# Altium PCB SFYTH_PCB2.PcbDoc (part 2 of 3)
Units mil, origin at the board's own origin, x right, y up, seen from the top; angles counter-clockwise.
Board outline 3935.4 x 3935 mil, 2 copper layers (Top Layer, Bottom Layer); 60 components, 80 nets, 272 pads, 22 vias.
Unrouted connection lines stored in the file: 3.
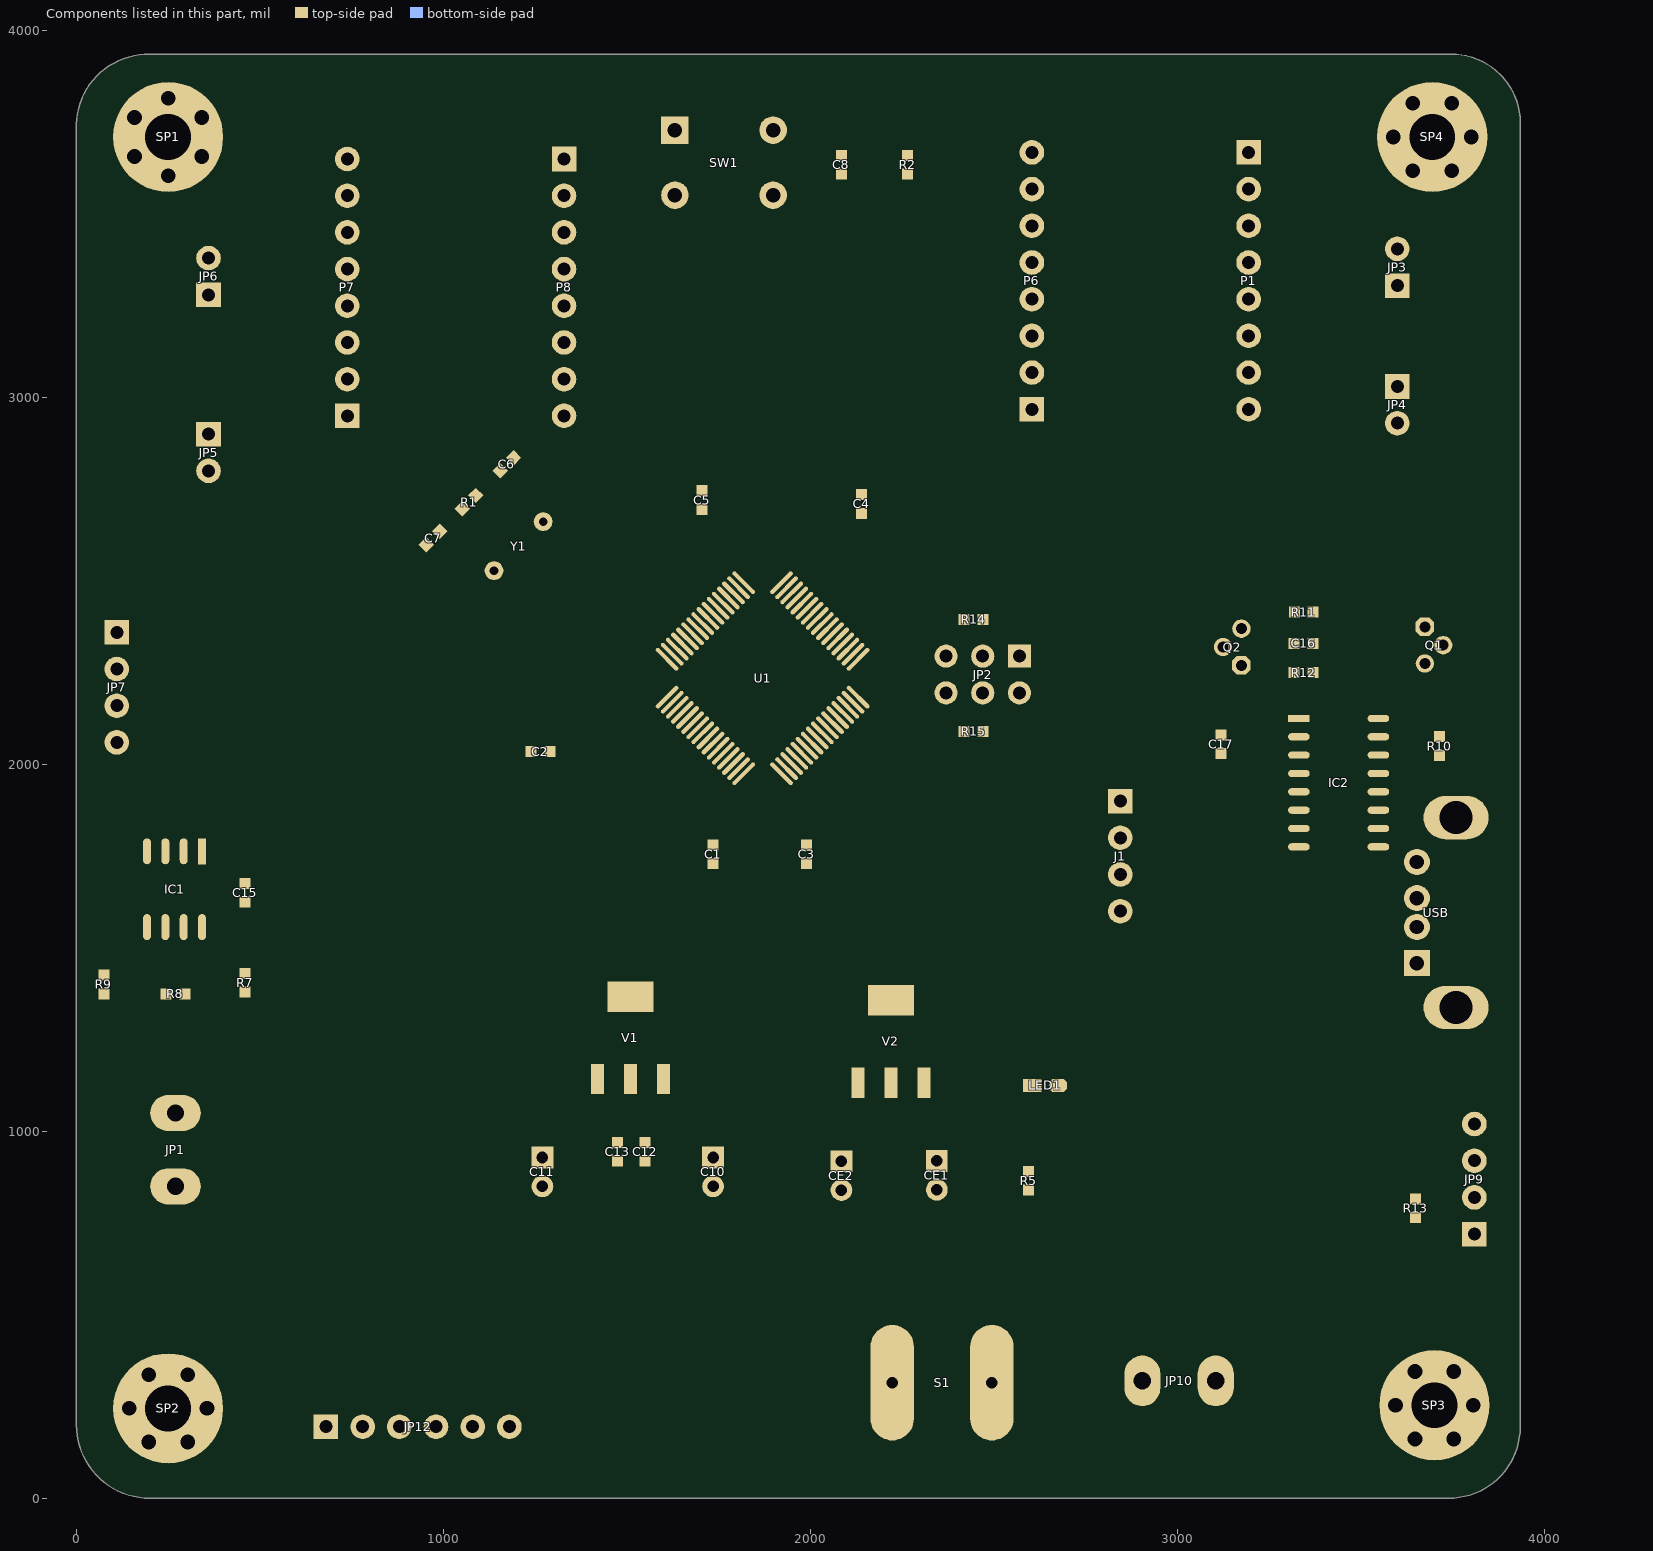
[diagram p2: the components of this part, seen from the top]

## Via types
v1: diameter 20, hole 12, Top Layer to Bottom Layer, 21 vias
v2: diameter 30, hole 20, Top Layer to Bottom Layer, 1 vias

## Nets (pads, with @x,y where several pads share a name; then routed paths per layer and width w, separated by ;. In a path a pad name is that pad's centre, name@x,y a point inside that pad or via, vN(x,y) a via of type N, cw(c..) or ccw(c..) an arc to the next point about the centre after c; other vN are vias at no path point) (continued)
copper on no net: (continued)
  Top Layer w1: 65.5,687 646.5,687 ; 66.5,688 646.5,688 ; 67.5,689 646.5,689 ; 67.5,690 646.5,690 ; 68.5,691 646.5,691 ; 69.5,692 646.5,692 ; 70.5,693 646.5,693 ; 71.5,694 646.5,694 ; 71.5,695 646.5,695 ; 72.5,696 646.5,696 ; 73.5,697 646.5,697 ; 74.5,698 646.5,698 ; 75.5,699 646.5,699 ; 76.5,700 646.5,700 ; 78.5,701 646.5,701 ; 79.5,702 646.5,702 ; 80.5,703 646.5,703 ; 81.5,704 646.5,704 ; 83.5,705 646.5,705 ; 84.5,706 646.5,706 ; 86.5,707 646.5,707 ; 88.5,708 646.5,708 ; 90.5,709 646.5,709 ; 92.5,710 646.5,710 ; 94.5,711 646.5,711 ; 96.5,440 661.5,440 ; 96.5,441 663.5,441 ; 96.5,442 665.5,442 ; 96.5,443 667.5,443 ; 96.5,444 668.5,444 ; 96.5,445 670.5,445 ; 96.5,446 671.5,446 ; 96.5,447 672.5,447 ; 96.5,448 673.5,448 ; 96.5,449 674.5,449 ; 96.5,450 675.5,450 ; 96.5,451 676.5,451 ; 96.5,452 677.5,452 ; 96.5,453 678.5,453 ; 96.5,454 679.5,454 ; 96.5,455 680.5,455 ; 96.5,456 680.5,456 ; 96.5,457 681.5,457 ; 96.5,458 682.5,458 ; 96.5,459 682.5,459 ; 96.5,460 683.5,460 ; 96.5,461 683.5,461 ; 96.5,462 684.5,462 ; 96.5,463 684.5,463 ; 96.5,464 684.5,464 ; 96.5,465 685.5,465 ; 96.5,466 685.5,466 ; 96.5,467 685.5,467 ; 96.5,468 686.5,468 ; 96.5,469 686.5,469 ; 96.5,470 686.5,470 ; 96.5,471 686.5,471 ; 96.5,472 686.5,472 ; 96.5,473 686.5,473 ; 96.5,474 686.5,474 ; 96.5,475 686.5,475 ; 96.5,476 686.5,476 ; 96.5,477 686.5,477 ; 96.5,478 686.5,478 ; 96.5,479 686.5,479 ; 96.5,480 686.5,480 ; 96.5,481 686.5,481 ; 96.5,482 232.5,482 ; 96.5,483 231.5,483 ; 96.5,484 231.5,484 ; 96.5,485 231.5,485 ; 96.5,486 239.5,486 ; 96.5,487 240.5,487 ; 96.5,488 140.5,488 ; 96.5,489 140.5,489 ; 96.5,490 140.5,490 ; 96.5,491 140.5,491 ; 96.5,492 140.5,492 ; 96.5,493 140.5,493 ; 96.5,494 140.5,494 ; 96.5,495 140.5,495 ; 96.5,496 140.5,496 ; 96.5,497 140.5,497 ; 96.5,498 140.5,498 ; 96.5,499 140.5,499 ; 96.5,500 140.5,500 ; 96.5,501 140.5,501 ; 96.5,502 140.5,502 ; 96.5,503 140.5,503 ; 96.5,504 140.5,504 ; 96.5,505 140.5,505 ; 96.5,506 140.5,506 ; 96.5,507 140.5,507 ; 96.5,508 185.5,508 ; 96.5,509 185.5,509 ; 96.5,510 686.5,510 ; 96.5,511 686.5,511 ; 96.5,512 686.5,512 ; 96.5,513 686.5,513 ; 96.5,514 686.5,514 ; 96.5,515 686.5,515 ; 96.5,516 686.5,516 ; 96.5,517 686.5,517 ; 96.5,518 686.5,518 ; 96.5,519 686.5,519 ; 96.5,520 686.5,520 ; 96.5,521 686.5,521 ; 96.5,522 686.5,522 ; 96.5,523 686.5,523 ; 96.5,524 686.5,524 ; 96.5,525 686.5,525 ; 96.5,526 686.5,526 ; 96.5,527 686.5,527 ; 96.5,528 686.5,528 ; 96.5,529 686.5,529 ; 96.5,530 686.5,530 ; 96.5,531 415.5,531 ; 96.5,532 319.5,532 ; 96.5,533 141.5,533 ; 96.5,534 142.5,534 ; 96.5,535 142.5,535 ; 96.5,536 143.5,536 ; 96.5,537 143.5,537 ; 96.5,538 144.5,538 ; 96.5,539 144.5,539 ; 96.5,540 145.5,540 ; 96.5,541 146.5,541 ; 96.5,542 146.5,542 ; 96.5,543 147.5,543 ; 96.5,544 147.5,544 ; 96.5,545 148.5,545 ; 96.5,546 148.5,546 ; 96.5,547 149.5,547 ; 96.5,548 149.5,548 ; 96.5,549 150.5,549 ; 96.5,550 150.5,550 ; 96.5,551 151.5,551 ; 96.5,552 151.5,552 ; 96.5,553 152.5,553 ; 96.5,554 153.5,554 ; 96.5,555 153.5,555 ; 96.5,556 154.5,556 ; 96.5,557 154.5,557 ; 96.5,558 155.5,558 ; 96.5,559 155.5,559 ; 96.5,560 156.5,560 ; 96.5,561 156.5,561 ; 96.5,562 157.5,562 ; 96.5,563 157.5,563 ; 96.5,564 158.5,564 ; 96.5,565 158.5,565 ; 96.5,566 159.5,566 ; 96.5,567 159.5,567 ; 96.5,568 160.5,568 ; 96.5,569 161.5,569 ; 96.5,570 161.5,570 ; 96.5,571 162.5,571 ; 96.5,572 162.5,572 ; 96.5,573 163.5,573 ; 96.5,574 163.5,574 ; 96.5,575 164.5,575 ; 96.5,576 164.5,576 ; 96.5,577 165.5,577 ; 96.5,578 165.5,578 ; 96.5,579 166.5,579 ; 96.5,580 166.5,580 ; 96.5,581 167.5,581 ; 96.5,582 168.5,582 ; 96.5,583 168.5,583 ; 96.5,584 169.5,584 ; 96.5,585 169.5,585 ; 96.5,586 170.5,586 ; 96.5,587 170.5,587 ; 96.5,588 171.5,588 ; 96.5,589 171.5,589 ; 96.5,590 172.5,590 ; 96.5,591 172.5,591 ; 96.5,592 173.5,592 ; 96.5,593 173.5,593 ; 96.5,594 174.5,594 ; 96.5,595 174.5,595 ; 96.5,596 175.5,596 ; 96.5,597 176.5,597 ; 96.5,598 176.5,598 ; 96.5,599 177.5,599 ; 96.5,600 177.5,600 ; 96.5,601 178.5,601 ; 96.5,602 178.5,602 ; 96.5,603 179.5,603 ; 96.5,604 179.5,604 ; 96.5,605 180.5,605 ; 96.5,606 180.5,606 ; 96.5,607 181.5,607 ; 96.5,608 181.5,608 ; 96.5,609 182.5,609 ; 96.5,610 183.5,610 ; 96.5,611 183.5,611 ; 96.5,612 184.5,612 ; 96.5,613 184.5,613 ; 96.5,614 185.5,614 ; 96.5,615 185.5,615 ; 96.5,616 186.5,616 ; 96.5,617 186.5,617 ; 96.5,618 187.5,618 ; 96.5,619 187.5,619 ; 96.5,620 188.5,620 ; 96.5,621 188.5,621 ; 96.5,622 189.5,622 ; 96.5,623 190.5,623 ; 96.5,624 190.5,624 ; 96.5,625 191.5,625 ; 96.5,626 192.5,626 ; 96.5,627 193.5,627 ; 96.5,628 194.5,628 ; 96.5,629 195.5,629 ; 96.5,630 196.5,630 ; 96.5,631 197.5,631 ; 96.5,632 198.5,632 ; 96.5,633 199.5,633 ; 96.5,634 201.5,634 ; 96.5,635 202.5,635 231.5,635 ; 96.5,636 204.5,636 ; 96.5,637 206.5,637 ; 96.5,638 208.5,638 ; 96.5,639 211.5,639 ; 96.5,640 214.5,640 ; 96.5,641 220.5,641 ; 96.5,642 686.5,642 ; 97.5,643 686.5,643 ; 97.5,644 686.5,644 ; 97.5,645 686.5,645 ; 97.5,646 686.5,646 ; 97.5,712 646.5,712 ; 98.5,647 686.5,647 ; 98.5,648 686.5,648 ; 98.5,649 686.5,649 ; 99.5,650 686.5,650 ; 99.5,651 686.5,651 ; 100.5,652 686.5,652 ; 100.5,653 686.5,653 ; 100.5,713 646.5,713 ; 101.5,654 686.5,654 ; 101.5,655 686.5,655 ; 101.5,656 686.5,656 ; 102.5,657 686.5,657 ; 103.5,658 686.5,658 ; 103.5,659 686.5,659 ; 103.5,714 646.5,714 ; 104.5,513 109.5,513 ; 104.5,514 108.5,514 ; 104.5,515 108.5,515 ; 104.5,516 108.5,516 ; 104.5,517 107.5,517 ; 104.5,518 107.5,518 ; 104.5,519 107.5,519 ; 104.5,520 106.5,520 ; 104.5,521 106.5,521 ; 104.5,522 106.5,522 ; 104.5,523 106.5,523 ; 104.5,524 105.5,524 ; 104.5,525 105.5,525 ; 104.5,660 686.5,660 ; 104.5,661 686.5,661 ; 105.5,662 686.5,662 ; 106.5,532 115.5,532 ; 106.5,663 686.5,663 ; 107.5,529 114.5,529 ; 107.5,530 115.5,530 ; 107.5,531 115.5,531 ; 107.5,664 686.5,664 ; 107.5,665 686.5,665 ; 108.5,526 113.5,526 ; 108.5,527 114.5,527 ; 108.5,528 114.5,528 ; 108.5,666 686.5,666 ; 109.5,523 113.5,523 ; 109.5,524 113.5,524 ; 109.5,525 113.5,525 ; 109.5,667 686.5,667 ; 109.5,715 646.5,715 ; 110.5,519 111.5,519 ; 110.5,520 112.5,520 ; 110.5,521 112.5,521 ; 110.5,522 112.5,522 ; 110.5,668 686.5,668 ; 111.5,669 686.5,669 ; 111.5,670 686.5,670 ; 112.5,671 686.5,671 ; 113.5,513 118.5,513 ; 113.5,514 118.5,514 ; 113.5,672 686.5,672 ; 114.5,515 118.5,515 ; 114.5,516 118.5,516 ; 114.5,517 118.5,517 ; 114.5,673 686.5,673 ; 115.5,518 118.5,518 ; 115.5,519 118.5,519 ; 115.5,520 118.5,520 ; 115.5,674 686.5,674 ; 116.5,521 118.5,521 ; 116.5,522 118.5,522 ; 116.5,523 118.5,523 ; 116.5,675 686.5,675 ; 117.5,524 118.5,524 ; 117.5,525 118.5,525 ; 117.5,526 118.5,526 ; 118.5,676 686.5,676 ; 119.5,677 686.5,677 ; 120.5,678 686.5,678 ; 121.5,679 686.5,679 ; 122.5,513 129.5,513 ; 122.5,514 128.5,514 ; 122.5,515 127.5,515 ; 122.5,516 127.5,516 ; 122.5,517 127.5,517 ; 122.5,518 127.5,518 ; 122.5,519 127.5,519 ; 122.5,520 128.5,520 ; 122.5,521 129.5,521 ; 122.5,522 136.5,522 ; 122.5,523 136.5,523 ; 122.5,524 128.5,524 ; 122.5,525 128.5,525 ; 122.5,526 128.5,526 ; 122.5,527 129.5,527 ; 122.5,528 145.5,528 ; 122.5,529 145.5,529 ; 122.5,530 145.5,530 ; 122.5,531 145.5,531 ; 122.5,532 145.5,532 ; 123.5,680 686.5,680 ; 124.5,681 686.5,681 ; 126.5,682 686.5,682 ; 128.5,683 686.5,683 ; 130.5,524 136.5,524 ; 130.5,684 686.5,684 ; 131.5,516 135.5,516 ; 131.5,517 136.5,517 ; 131.5,518 136.5,518 ; 132.5,519 136.5,519 ; 132.5,685 686.5,685 ; 134.5,686 686.5,686 ; 135.5,513 137.5,513 ; 137.5,558 170.5,558 ; 137.5,559 170.5,559 ; 137.5,687 686.5,687 ; 138.5,527 145.5,527 ; 138.5,560 170.5,560 ; 138.5,561 170.5,561 ; 138.5,562 170.5,562 ; 139.5,525 145.5,525 ; 139.5,526 145.5,526 ; 139.5,563 170.5,563 ; 139.5,564 170.5,564 ; 140.5,513 145.5,513 ; 140.5,514 145.5,514 ; 140.5,515 145.5,515 ; 140.5,516 145.5,516 ; 140.5,517 145.5,517 ; 140.5,518 145.5,518 ; 140.5,519 145.5,519 ; 140.5,520 145.5,520 ; 140.5,521 145.5,521 ; 140.5,522 145.5,522 ; 140.5,523 145.5,523 ; 140.5,524 145.5,524 ; 140.5,565 170.5,565 ; 140.5,566 170.5,566 ; 140.5,688 686.5,688 ; 141.5,567 170.5,567 ; 141.5,568 171.5,568 ; 141.5,569 171.5,569 ; 142.5,570 171.5,570 ; 142.5,571 171.5,571 ; 143.5,572 171.5,572 ; 143.5,573 171.5,573 ; 143.5,689 686.5,689 ; 144.5,488 149.5,488 ; 144.5,489 148.5,489 ; 144.5,490 148.5,490 ; 144.5,491 148.5,491 ; 144.5,492 147.5,492 ; 144.5,493 147.5,493 ; 144.5,494 147.5,494 ; 144.5,495 146.5,495 ; 144.5,496 146.5,496 ; 144.5,497 146.5,497 ; 144.5,498 146.5,498 ; 144.5,499 145.5,499 ; 144.5,500 145.5,500 ; 144.5,574 171.5,574 ; 144.5,575 171.5,575 ; 145.5,576 171.5,576 ; 146.5,507 155.5,507 ; 147.5,504 154.5,504 ; 147.5,505 155.5,505 ; 147.5,506 155.5,506 ; 148.5,501 153.5,501 ; 148.5,502 154.5,502 ; 148.5,503 154.5,503 ; 149.5,498 153.5,498 ; 149.5,499 153.5,499 ; 149.5,500 153.5,500 ; 149.5,513 154.5,513 ; 149.5,514 153.5,514 ; 149.5,515 152.5,515 ; 149.5,516 152.5,516 ; 149.5,517 151.5,517 ; 149.5,518 150.5,518 ; 149.5,523 150.5,523 ; 149.5,524 151.5,524 ; 149.5,525 152.5,525 ; 149.5,526 152.5,526 ; 149.5,527 153.5,527 ; 149.5,528 219.5,528 ; 149.5,529 219.5,529 ; 149.5,530 219.5,530 ; 149.5,531 162.5,531 ; 149.5,532 162.5,532 ; 149.5,533 162.5,533 ; 149.5,534 236.5,534 ; 149.5,690 686.5,690 ; 150.5,494 151.5,494 ; 150.5,495 152.5,495 ; 150.5,496 152.5,496 ; 150.5,497 152.5,497 ; 153.5,488 158.5,488 ; 153.5,489 158.5,489 ; 153.5,520 162.5,520 ; 153.5,521 162.5,521 ; 154.5,490 158.5,490 ; 154.5,491 158.5,491 ; 154.5,492 158.5,492 ; 154.5,519 162.5,519 ; 154.5,522 162.5,522 ; 154.5,598 172.5,598 ; 155.5,493 158.5,493 ; 155.5,494 158.5,494 ; 155.5,495 158.5,495 ; 155.5,518 162.5,518 ; 155.5,523 162.5,523 ; 155.5,524 162.5,524 ; 155.5,599 172.5,599 ; 155.5,600 172.5,600 ; 156.5,496 158.5,496 ; 156.5,497 158.5,497 ; 156.5,498 158.5,498 ; 156.5,516 162.5,516 ; 156.5,517 162.5,517 ; 156.5,525 162.5,525 ; 156.5,601 172.5,601 ; 156.5,602 172.5,602 ; 157.5,499 158.5,499 ; 157.5,500 158.5,500 ; 157.5,501 158.5,501 ; 157.5,515 162.5,515 ; 157.5,526 162.5,526 ; 157.5,603 172.5,603 ; 157.5,604 172.5,604 ; 157.5,605 173.5,605 ; 158.5,514 162.5,514 ; 158.5,527 162.5,527 ; 158.5,606 173.5,606 ; 158.5,607 173.5,607 ; 159.5,513 162.5,513 ; 159.5,608 173.5,608 ; 159.5,609 173.5,609 ; 160.5,610 173.5,610 ; 160.5,611 173.5,611 ; 161.5,612 173.5,612 ; 161.5,613 173.5,613 ; 162.5,488 169.5,488 ; 162.5,489 168.5,489 ; 162.5,490 167.5,490 ; 162.5,491 167.5,491 ; 162.5,492 167.5,492 ; 162.5,493 167.5,493 ; 162.5,494 167.5,494 ; 162.5,495 168.5,495 ; 162.5,496 169.5,496 ; 162.5,497 176.5,497 ; 162.5,498 176.5,498 ; 162.5,499 168.5,499 ; 162.5,500 168.5,500 ; 162.5,501 168.5,501 ; 162.5,502 169.5,502 ; 162.5,503 185.5,503 ; 162.5,504 185.5,504 ; 162.5,505 185.5,505 ; 162.5,506 185.5,506 ; 162.5,507 185.5,507 ; 162.5,614 173.5,614 ; 162.5,615 173.5,615 ; 163.5,616 173.5,616 ; 163.5,617 173.5,617 ; 163.5,618 173.5,618 ; 164.5,619 173.5,619 ; 164.5,620 173.5,620 ; 165.5,621 173.5,621 ; 165.5,622 173.5,622 ; 166.5,513 172.5,513 ; 166.5,514 172.5,514 ; 166.5,515 172.5,515 ; 166.5,516 172.5,516 ; 166.5,517 172.5,517 ; 166.5,518 172.5,518 ; 166.5,519 172.5,519 ; 166.5,520 172.5,520 ; 166.5,521 172.5,521 ; 166.5,522 172.5,522 ; 166.5,523 172.5,523 ; 166.5,524 172.5,524 ; 166.5,525 172.5,525 ; 166.5,526 172.5,526 ; 166.5,527 172.5,527 ; 166.5,531 219.5,531 ; 166.5,532 219.5,532 ; 166.5,533 236.5,533 ; 166.5,623 174.5,623 ; 166.5,624 174.5,624 ; 167.5,625 174.5,625 ; 167.5,626 174.5,626 ; 168.5,627 174.5,627 ; 168.5,628 174.5,628 ; 168.5,629 174.5,629 ; 169.5,630 174.5,630 ; 169.5,631 174.5,631 ; 170.5,499 176.5,499 ; 170.5,632 174.5,632 ; 170.5,633 174.5,633 ; 171.5,491 175.5,491 ; 171.5,492 176.5,492 ; 171.5,493 176.5,493 ; 171.5,634 174.5,634 ; 171.5,635 174.5,635 ; 172.5,494 176.5,494 ; 172.5,636 174.5,636 ; 172.5,637 174.5,637 ; 173.5,638 174.5,638 ; 173.5,639 174.5,639 ; 175.5,488 177.5,488 ; 175.5,527 177.5,527 ; 176.5,513 181.5,513 ; 176.5,514 181.5,514 ; 176.5,515 181.5,515 ; 176.5,516 181.5,516 ; 176.5,517 181.5,517 ; 176.5,518 181.5,518 ; 176.5,519 181.5,519 ; 176.5,520 181.5,520 ; 176.5,521 181.5,521 ; 176.5,522 181.5,522 ; 176.5,523 181.5,523 ; 177.5,524 181.5,524 ; 177.5,533 210.5,533 ; 177.5,534 210.5,534 ; 178.5,502 185.5,502 ; 178.5,535 210.5,535 ; 178.5,536 210.5,536 ; 178.5,537 210.5,537 ; 179.5,500 185.5,500 ; 179.5,501 185.5,501 ; 179.5,538 210.5,538 ; 179.5,539 210.5,539 ; 180.5,488 185.5,488 ; 180.5,489 185.5,489 ; 180.5,490 185.5,490 ; 180.5,491 185.5,491 ; 180.5,492 185.5,492 ; 180.5,493 185.5,493 ; 180.5,494 185.5,494 ; 180.5,495 185.5,495 ; 180.5,496 185.5,496 ; 180.5,497 185.5,497 ; 180.5,498 185.5,498 ; 180.5,499 185.5,499 ; 180.5,540 210.5,540 ; 180.5,541 210.5,541 ; 181.5,542 210.5,542 ; 181.5,543 211.5,543 ; 181.5,544 211.5,544 ; 182.5,545 211.5,545 ; 182.5,546 211.5,546 ; 183.5,527 193.5,527 ; 183.5,547 211.5,547 ; 183.5,548 211.5,548 ; 184.5,526 192.5,526 ; 184.5,549 211.5,549 ; 184.5,550 211.5,550 ; 185.5,513 193.5,513 ; 185.5,514 192.5,514 ; 185.5,515 191.5,515 ; 185.5,516 190.5,516 ; 185.5,517 190.5,517 ; 185.5,518 190.5,518 ; 185.5,519 190.5,519 ; 185.5,520 190.5,520 ; 185.5,521 190.5,521 ; 185.5,522 190.5,522 ; 185.5,523 190.5,523 ; 185.5,524 190.5,524 ; 185.5,525 191.5,525 ; 185.5,551 211.5,551 ; 189.5,488 194.5,488 ; 189.5,489 193.5,489 ; 189.5,490 192.5,490 ; 189.5,491 192.5,491 ; 189.5,492 191.5,492 ; 189.5,493 190.5,493 ; 189.5,498 190.5,498 ; 189.5,499 191.5,499 ; 189.5,500 192.5,500 ; 189.5,501 192.5,501 ; 189.5,502 193.5,502 ; 189.5,503 259.5,503 ; 189.5,504 259.5,504 ; 189.5,505 259.5,505 ; 189.5,506 202.5,506 ; 189.5,507 202.5,507 ; 189.5,508 202.5,508 450.5,508 ; 189.5,509 276.5,509 ; 193.5,495 202.5,495 ; 193.5,496 202.5,496 ; 193.5,510 198.5,510 ; 194.5,494 202.5,494 ; 194.5,497 202.5,497 ; 194.5,518 200.5,518 ; 194.5,519 200.5,519 ; 194.5,520 200.5,520 ; 194.5,521 200.5,521 ; 194.5,522 200.5,522 ; 194.5,523 200.5,523 ; 194.5,573 212.5,573 ; 195.5,493 202.5,493 ; 195.5,498 202.5,498 ; 195.5,499 202.5,499 ; 195.5,517 199.5,517 ; 195.5,524 199.5,524 ; 195.5,574 212.5,574 ; 195.5,575 212.5,575 ; 196.5,491 202.5,491 ; 196.5,492 202.5,492 ; 196.5,500 202.5,500 ; 196.5,516 198.5,516 ; 196.5,576 212.5,576 ; 196.5,577 212.5,577 ; 197.5,490 202.5,490 ; 197.5,501 202.5,501 ; 197.5,578 212.5,578 ; 197.5,579 212.5,579 ; 197.5,580 213.5,580 ; 198.5,489 202.5,489 ; 198.5,502 202.5,502 ; 198.5,513 200.5,513 ; 198.5,581 213.5,581 ; 198.5,582 213.5,582 ; 199.5,488 202.5,488 ; 199.5,527 200.5,527 ; 199.5,583 213.5,583 ; 199.5,584 213.5,584 ; 200.5,585 213.5,585 ; 200.5,586 213.5,586 ; 201.5,507 451.5,507 ; 201.5,587 213.5,587 ; 201.5,588 213.5,588 ; 201.5,660 237.5,660 ; 201.5,661 237.5,661 ; 201.5,662 238.5,662 ; 201.5,663 238.5,663 ; 201.5,664 238.5,664 ; 201.5,665 238.5,665 ; 201.5,666 239.5,666 ; 202.5,589 213.5,589 ; 202.5,590 213.5,590 ; 202.5,634 231.5,634 ; 202.5,636 231.5,636 ; 202.5,637 232.5,637 ; 202.5,638 232.5,638 ; 202.5,639 232.5,639 ; 202.5,640 232.5,640 ; 202.5,641 233.5,641 ; 202.5,642 233.5,642 ; 202.5,643 233.5,643 ; 202.5,644 233.5,644 ; 202.5,645 234.5,645 ; 202.5,646 234.5,646 ; 202.5,647 234.5,647 ; 202.5,648 234.5,648 ; 202.5,649 234.5,649 ; 202.5,650 235.5,650 ; 202.5,651 235.5,651 ; 202.5,652 235.5,652 ; 202.5,653 235.5,653 ; 202.5,654 236.5,654 ; 202.5,655 236.5,655 ; 202.5,656 236.5,656 ; 202.5,657 236.5,657 ; 202.5,658 237.5,658 ; 202.5,659 237.5,659 ; 203.5,509 450.5,509 ; 203.5,510 450.5,510 ; 203.5,591 213.5,591 ; 203.5,592 213.5,592 ; 203.5,593 213.5,593 ; 203.5,607 224.5,607 ; 203.5,608 224.5,608 ; 203.5,609 225.5,609 ; 203.5,610 225.5,610 ; 203.5,611 225.5,611 ; 203.5,612 225.5,612 ; 203.5,613 226.5,613 ; 203.5,614 226.5,614 ; 203.5,615 226.5,615 ; 203.5,616 226.5,616 ; 203.5,617 227.5,617 ; 203.5,618 227.5,618 ; 203.5,619 227.5,619 ; 203.5,620 227.5,620 ; 203.5,621 228.5,621 ; 203.5,622 228.5,622 ; 203.5,623 228.5,623 ; 203.5,624 228.5,624 ; 203.5,625 229.5,625 ; 203.5,626 229.5,626 ; 203.5,627 229.5,627 ; 203.5,628 229.5,628 ; 203.5,629 230.5,629 ; 203.5,630 230.5,630 ; 203.5,631 230.5,631 ; 203.5,632 230.5,632 ; 203.5,633 231.5,633 ; 204.5,511 458.5,511 ; 204.5,512 458.5,512 ; 204.5,513 219.5,513 ; 204.5,514 219.5,514 ; 204.5,515 219.5,515 ; 204.5,516 219.5,516 ; 204.5,517 219.5,517 ; 204.5,518 219.5,518 ; 204.5,519 219.5,519 ; 204.5,520 219.5,520 ; 204.5,521 219.5,521 ; 204.5,522 219.5,522 ; 204.5,523 219.5,523 ; 204.5,524 219.5,524 ; 204.5,525 219.5,525 ; 204.5,526 219.5,526 ; 204.5,527 219.5,527 ; 204.5,581 218.5,581 ; 204.5,582 218.5,582 ; 204.5,583 218.5,583 ; 204.5,584 218.5,584 ; 204.5,585 219.5,585 ; 204.5,586 219.5,586 ; 204.5,587 219.5,587 ; 204.5,588 219.5,588 ; 204.5,589 220.5,589 ; 204.5,590 220.5,590 ; 204.5,591 220.5,591 ; 204.5,592 220.5,592 ; 204.5,593 221.5,593 ; 204.5,596 221.5,596 ; 204.5,597 222.5,597 ; 204.5,598 222.5,598 ; 204.5,599 222.5,599 ; 204.5,600 222.5,600 ; 204.5,601 223.5,601 ; 204.5,602 223.5,602 ; 204.5,603 223.5,603 ; 204.5,604 223.5,604 ; 204.5,605 224.5,605 ; 204.5,606 224.5,606 ; 205.5,558 212.5,558 ; 205.5,559 212.5,559 ; 205.5,560 212.5,560 ; 205.5,561 213.5,561 ; 205.5,562 213.5,562 ; 205.5,563 213.5,563 ; 205.5,564 213.5,564 ; 205.5,565 214.5,565 ; 205.5,566 214.5,566 ; 205.5,567 214.5,567 ; 205.5,568 214.5,568 ; 205.5,569 215.5,569 ; 205.5,570 215.5,570 ; 205.5,571 215.5,571 ; 205.5,572 215.5,572 ; 205.5,573 216.5,573 ; 205.5,574 216.5,574 ; 205.5,575 216.5,575 ; 205.5,576 216.5,576 ; 205.5,577 217.5,577 ; 205.5,578 217.5,578 ; 205.5,579 217.5,579 ; 205.5,580 217.5,580 ; 205.5,596 213.5,596 ; 205.5,597 213.5,597 ; 206.5,488 212.5,488 ; 206.5,489 212.5,489 ; 206.5,490 212.5,490 ; 206.5,491 212.5,491 ; 206.5,492 212.5,492 ; 206.5,493 212.5,493 ; 206.5,494 212.5,494 ; 206.5,495 212.5,495 ; 206.5,496 212.5,496 ; 206.5,497 212.5,497 ; 206.5,498 212.5,498 ; 206.5,499 212.5,499 ; 206.5,500 212.5,500 ; 206.5,501 212.5,501 ; 206.5,502 212.5,502 ; 206.5,506 259.5,506 ; 206.5,507 259.5,507 ; 206.5,508 276.5,508 ; 206.5,598 214.5,598 ; 206.5,599 214.5,599 ; 207.5,600 214.5,600 ; 207.5,601 214.5,601 ; 208.5,602 214.5,602 ; 208.5,603 214.5,603 ; 208.5,604 214.5,604 ; 209.5,605 214.5,605 ; 209.5,606 214.5,606 ; 210.5,607 214.5,607 ; 210.5,608 214.5,608 ; 211.5,609 214.5,609 ; 211.5,610 214.5,610 ; 212.5,611 214.5,611 ; 212.5,612 214.5,612 ; 213.5,594 204.5,594 221.5,594 ; 213.5,595 204.5,595 221.5,595 ; 213.5,613 214.5,613 ; 213.5,614 214.5,614 ; 215.5,502 217.5,502 ; 216.5,488 221.5,488 ; 216.5,489 221.5,489 ; 216.5,490 221.5,490 ; 216.5,491 221.5,491 ; 216.5,492 221.5,492 ; 216.5,493 221.5,493 ; 216.5,494 221.5,494 ; 216.5,495 221.5,495 ; 216.5,496 221.5,496 ; 216.5,497 221.5,497 ; 216.5,498 221.5,498 ; 217.5,499 221.5,499 ; 223.5,502 233.5,502 ; 223.5,516 236.5,516 ; 223.5,517 236.5,517 ; 223.5,518 236.5,518 ; 223.5,519 236.5,519 ; 223.5,520 236.5,520 ; 223.5,521 236.5,521 ; 223.5,525 236.5,525 ; 223.5,526 236.5,526 ; 223.5,527 236.5,527 ; 223.5,528 236.5,528 ; 223.5,529 236.5,529 ; 224.5,501 232.5,501 ; 225.5,488 233.5,488 ; 225.5,489 232.5,489 ; 225.5,490 231.5,490 ; 225.5,491 230.5,491 ; 225.5,492 230.5,492 ; 225.5,493 230.5,493 ; 225.5,494 230.5,494 ; 225.5,495 230.5,495 ; 225.5,496 230.5,496 ; 225.5,497 230.5,497 ; 225.5,498 230.5,498 ; 225.5,499 230.5,499 ; 225.5,500 231.5,500 ; 230.5,522 236.5,522 ; 230.5,523 236.5,523 ; 230.5,524 236.5,524 ; 231.5,513 236.5,513 ; 231.5,514 236.5,514 ; 231.5,515 236.5,515 ; 231.5,530 236.5,530 ; 231.5,531 236.5,531 ; 231.5,532 236.5,532 ; 233.5,485 238.5,485 ; 234.5,493 240.5,493 ; 234.5,494 240.5,494 ; 234.5,495 240.5,495 ; 234.5,496 240.5,496 ; 234.5,497 240.5,497 ; 234.5,498 240.5,498 ; 235.5,492 239.5,492 ; 235.5,499 239.5,499 ; 236.5,491 238.5,491 ; 238.5,488 240.5,488 ; 239.5,502 240.5,502 ; 240.5,513 249.5,513 ; 240.5,514 247.5,514 ; 240.5,515 246.5,515 ; 240.5,516 245.5,516 ; 240.5,517 245.5,517 ; 240.5,518 245.5,518 ; 240.5,519 245.5,519 ; 240.5,520 245.5,520 ; 240.5,521 245.5,521 ; 240.5,522 245.5,522 ; 240.5,523 245.5,523 ; 240.5,524 245.5,524 ; 240.5,525 246.5,525 ; 240.5,526 247.5,526 ; 240.5,527 248.5,527 ; 240.5,528 278.5,528 ; 240.5,529 278.5,529 ; 240.5,530 278.5,530 ; 240.5,531 280.5,531 ; 240.5,532 339.5,532 ; 240.5,533 339.5,533 ; 240.5,534 587.5,534 569.5,534 ; 241.5,482 491.5,482 